# KiCad board keyball61_right.kicad_pcb (continued)
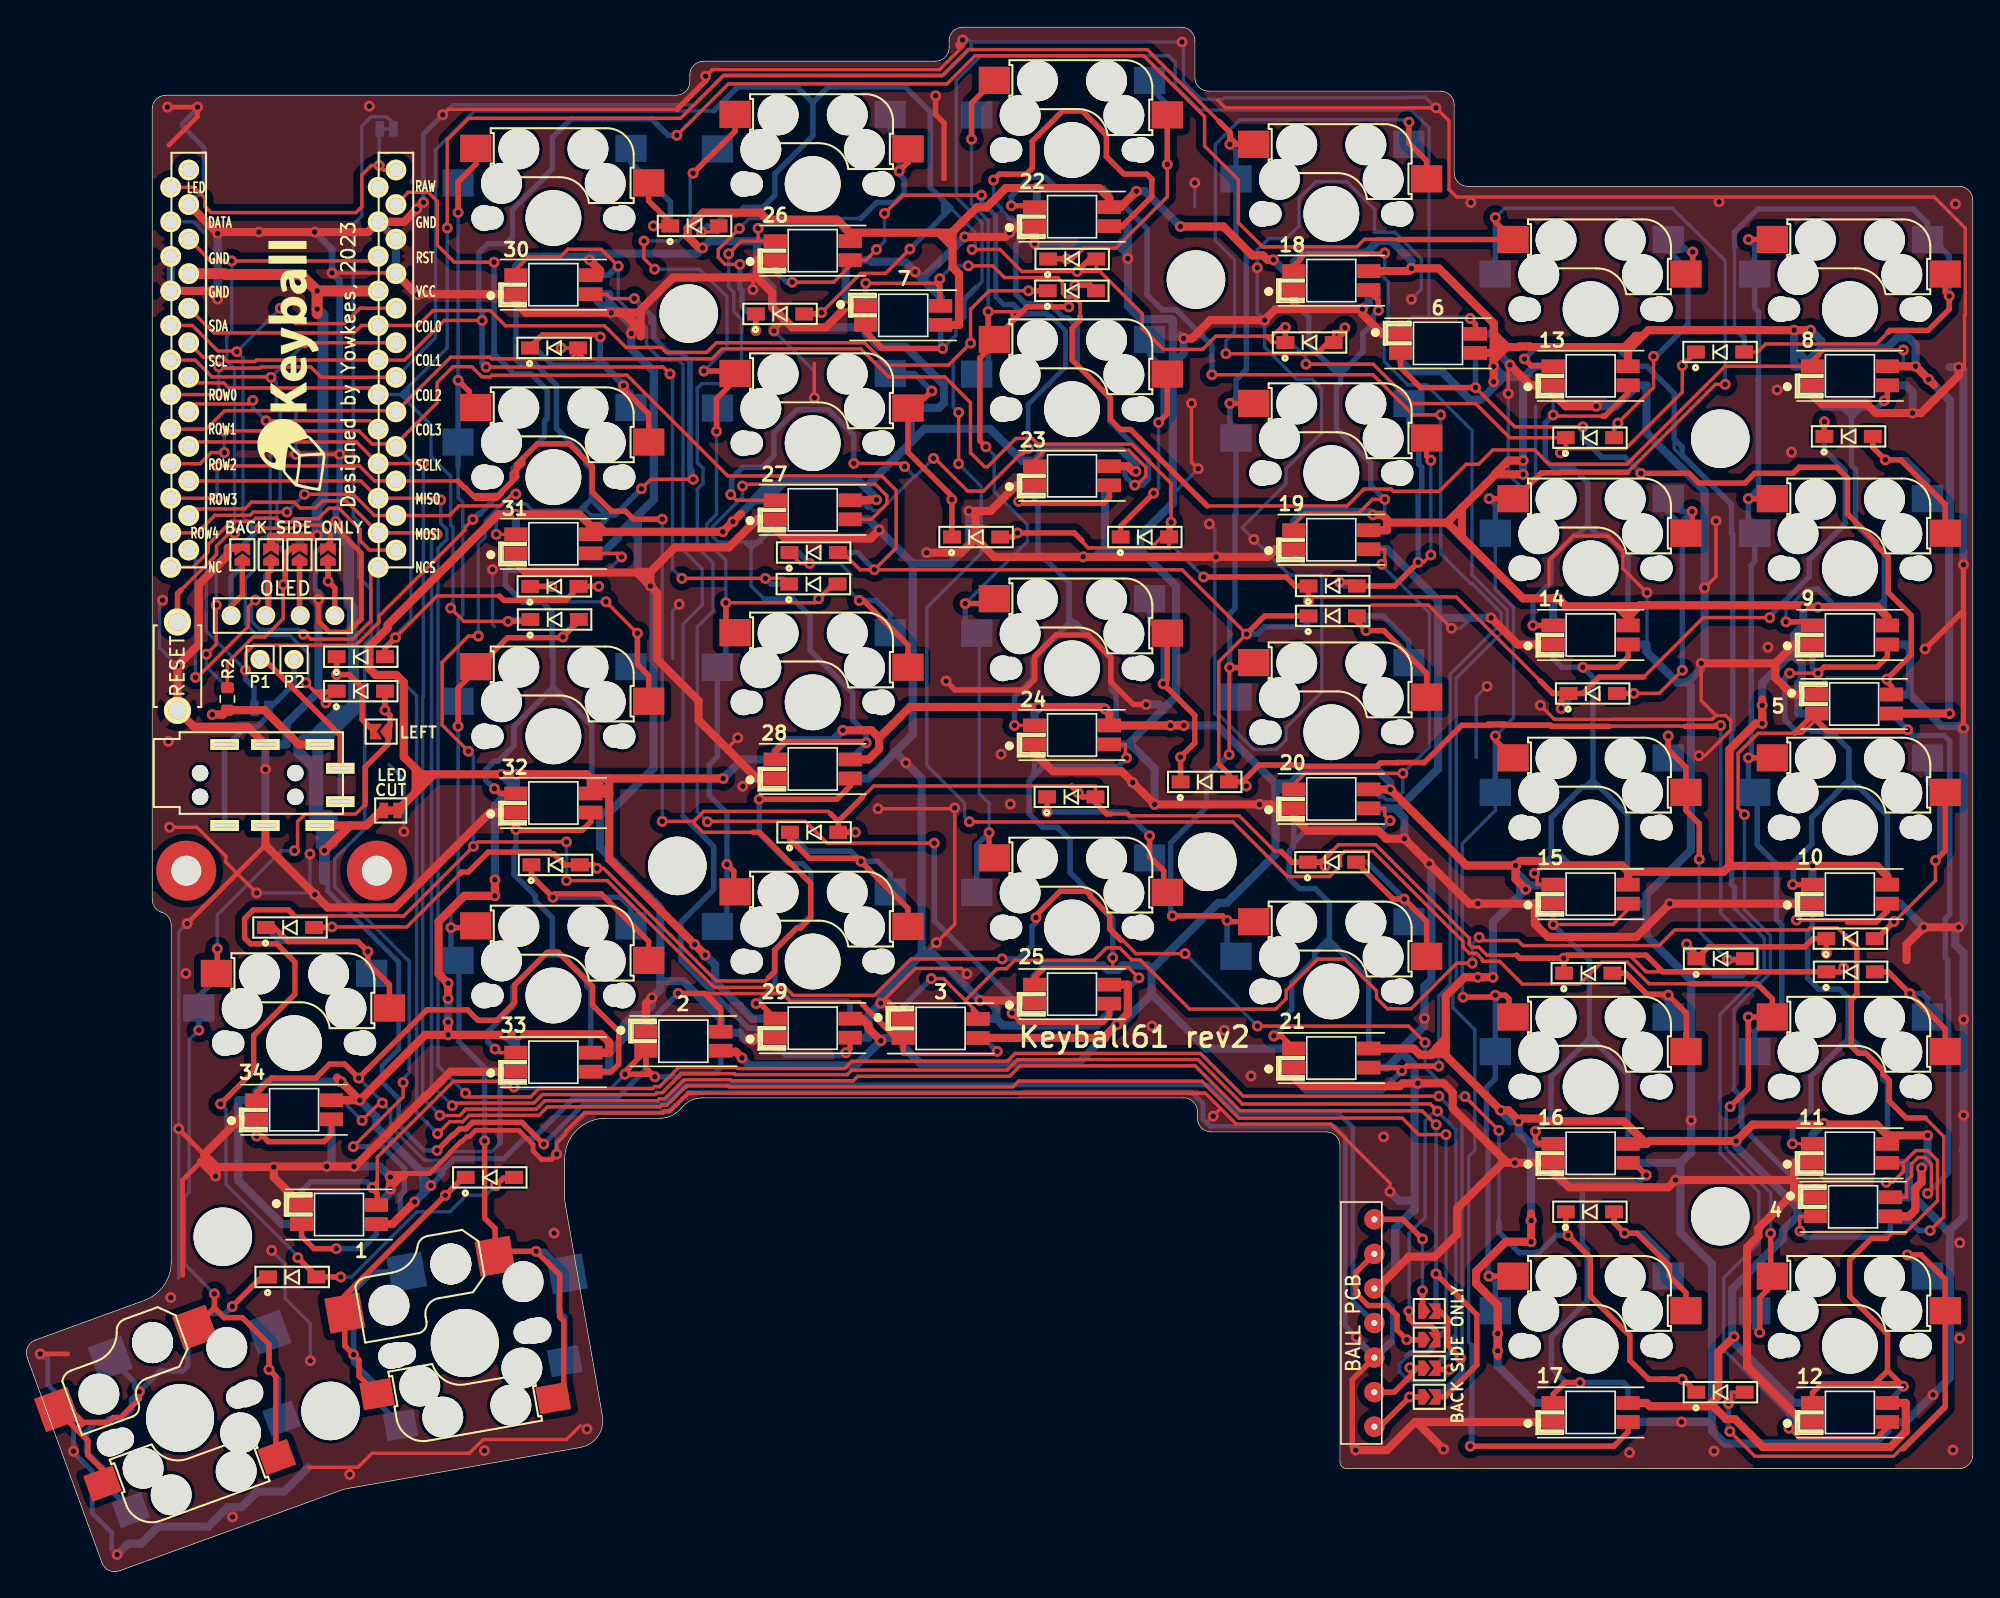
[diagram p0: board, top side]
## Routing (per net, layer and track width the routed paths; a pad name or vN(x,y) marks a point on that pad's centre or on a via; arc(x,y) is an arc through that point) (continued)
ROW4: length 268.2
  Top w0.25: v1(32.41,60.25) 30.47,62.18 30.47,66.77 32.41,68.71 v1(33.14,68.71) ; v1(19.08,77.83) 16.61,77.83 16.38,77.59 13.8,77.59 12.5,76.3 U1.11 ; 79.52,47.3 81.46,45.37 v1(85.06,45.37) ; v1(32.78,53.25) 33.11,53.58 v1(39.61,53.58) ; v1(32.78,53.25) 27.66,48.14 19.64,48.14 ; v1(32.78,53.25) 32.88,53.14 ; v1(39.61,50.73) 42.61,50.73 50.47,42.88 55.68,42.88 56.26,42.3 62.24,42.3 64.92,44.98 v1(71.62,44.98) ; v1(108.12,32.37) v1(105.62,34.86) ; 35.63,79.15 34.76,78.28 31.71,78.28 31,77.57 U1.11 25.51,77.57 23.96,79.13 v1(20.36,79.13) ; v1(90.38,40.05) 101.47,40.05 v1(102.69,38.83)
  Top w0.35: 35.63,79.15 v1(35.9,79.15) 35.95,79.15
  Top w0.4: D27.1 113.03,24.81 v1(113.19,24.65) 114.83,23.01 114.83,20.18 117.73,17.28 117.73,15.47 119.12,14.08 120.33,14.08 ; v1(23.03,21.6) D29.2 21.24,21.65 v1(19.88,23.01) ; v1(74.1,48.01) 74.1,48.18 75.87,49.95 77.8,49.95 78.1,49.64 78.1,49.57 79.52,48.15 79.52,47.17 80.34,46.35 ; 120.33,14.08 120.07,14.08 ; 120.33,14.08 v1(121.58,14.08) 121.67,14.08 D26.1 ; v1(34.41,28.3) 34.96,28.86 35.7,28.86 D28.2 ; v1(14.21,34.31) 16.63,36.74 16.63,39.36 19.66,42.39 19.66,44.75 18.32,46.09 16.39,46.09 15.97,46.51 15.97,47.95 16.6,48.58 19.19,48.58 19.64,48.14
  Bottom w0.25: v1(23.03,21.6) 23.84,21.6 28.63,26.4 31.05,26.4 32.26,27.61 33.71,27.61 v1(34.41,28.3) 35.02,28.92 D28.2 ; v1(19.08,77.83) 19.08,77.84 v1(20.36,79.13) ; 108.12,25.44 v1(108.12,32.37) ; 35.25,78.77 33.64,77.16 33.64,75.97 33.14,75.47 v1(33.14,68.71) ; 35.25,78.77 35.63,79.15 ; 35.25,78.77 35.63,79.15 ; 35.63,79.15 v1(35.9,79.15) ; 35.63,79.15 35.63,79.15 ; v1(39.61,53.58) v1(39.61,50.73) ; v1(19.88,23.01) 19.88,23.14 14.61,28.41 14.61,33.91 v1(14.21,34.31) ; v1(85.06,45.37) v1(90.38,40.05) ; 111.04,23.45 110.1,23.45 ; v1(32.41,60.25) 32.78,59.88 v1(32.78,53.25) ; v1(102.69,38.83) 102.69,37.03 104.86,34.86 v1(105.62,34.86)
  Bottom w0.4: 111.13,23.45 112.33,24.65 v1(113.19,24.65) 113.03,24.81 D27.1 ; 111.13,23.45 110.93,23.45 110.86,23.39 109.61,23.39 108.12,24.88 108.12,25.65 ; 111.13,23.45 111.04,23.45 ; D26.1 121.67,14.08 v1(121.58,14.08) ; v1(23.03,21.6) D29.2 21.24,21.65 v1(19.88,23.01) ; v1(71.62,44.98) 72.8,44.98 73.81,45.99 73.81,47.37 74.1,47.66 v1(74.1,48.01)
SCL: length 48.9
  Top w0.25: U1.6 12.33,89 13.57,87.76 17.87,87.76 v1(17.9,87.73) ; U1.6 v1(20.36,90.27) ; BACK SIDE ONLY#2.2 19.39,75.19 ; v1(18.8,72.49) 18.8,69.99 17.46,68.64 16.6,68.64 14.7,66.74 R2.2
  Top w0.4: v1(18.8,72.49) 18.96,72.65 18.96,74.76 19.39,75.19 19.42,75.19
  Bottom w0.25: 18.59,75.19 JP13.2 18.3,75.58 ; v1(20.36,90.27) 20.36,90.19 v1(17.9,87.73) 18.3,87.33 18.3,85.56 18.58,85.27 18.58,78.72 18.35,78.49 18.35,76.93 18.37,76.91
  Bottom w0.4: 18.59,75.19 18.93,74.85 18.93,72.62 v1(18.8,72.49) ; 18.37,77.05 18.37,76.91 18.49,76.79 18.49,75.78 ; 18.49,75.78 18.3,75.58 ; 18.49,75.78 18.17,75.45
SCLK: length 175.8
  Top w0.25: U1.16 12.19,82.97 24.19,82.97 U1.16 25.79,81.39 v1(29.1,81.39) ; 30.52,33.48 v1(30.31,33.48) 30.33,33.46 31.76,33.46 32.23,33.93 37.41,33.93 38.03,34.55 46.3,34.55 46.44,34.69 46.83,34.69 48.13,35.99 48.16,35.99 48.19,36.02 48.2,36.02 48.28,36.09 51.66,36.09 51.73,36.02 60.68,36.02 61.02,36.36 72.17,36.36 72.94,37.12 85.8,37.12 89.1,33.82 96.53,33.82 96.54,33.81 102.48,33.81 v1(103.5,32.79) ; JP7.2 103.85,12.79
  Top w0.4: v1(103.49,21.83) 106.49,18.83 106.49,15.14 104.15,12.79 103.85,12.79
  Bottom w0.25: 103.5,25.59 103.49,25.58 v1(103.49,21.83) ; 103.5,25.59 JP10.2 ; 103.5,25.59 v1(103.5,32.79) ; v1(29.1,81.39) 29.1,64.29 29.05,64.24 29.05,34.74 v1(30.31,33.48) ; JP10.2 103.5,18.64 JP10.2
  Bottom w0.4: v1(103.49,21.83) 103.49,19.59 103.5,19.58
SDA: length 55.5
  Top w0.25: U1.5 24.45,92.81 23.32,91.68 19.72,91.68 v1(18.59,92.81) ; 22.09,75.43 JP8.2 ; v1(13.89,70.99) 13.89,68.1 v1(13.16,67.37) ; U1.5 12.14,91.54 14.01,89.66 15.35,89.66 v1(15.4,89.62) ; v1(17.09,76.64) 19.55,76.64 19.78,76.87 21.59,76.87 22.27,76.18 22.27,76.16
  Top w0.4: 22.27,76.16 22.27,75.61 22.09,75.43
  Bottom w0.25: 16.48,76.86 15.85,77.49 15.85,89.17 v1(15.4,89.62) v1(18.59,92.81) ; 16.48,76.86 16.7,76.64 v1(17.09,76.64) ; 16.48,76.86 16.48,76.14 16.53,76.08 ; v1(13.16,67.37) 13.16,66.46 R1.2 ; 15.96,75.51 15.96,75.34 JP11.2 14.91,75.19 13.89,74.17 v1(13.89,70.99)
  Bottom w0.4: 15.96,75.51 v1(17.09,76.64)
Net-(D1-Pad2): length 52.3
  Top w0.25: 136.69,91.03 135.85,90.19 127.71,90.19 127.11,89.59 D1.2
  Top w0.4: SW1.2 140.9,93.99 v1(141.2,93.7) 141.2,92.73 139.64,91.18 136.84,91.18 136.69,91.03
  Bottom w0.25: 139.14,99.65 139.6,99.18 SW1.2 ; 125.42,97.9 125.42,91.37
  Bottom w0.4: D1.2 126.14,90.65 125.42,91.37 ; 125.42,97.29 125.42,98.39 127.13,100.1 138.56,100.1 139.6,99.06 SW1.2 139.98,97.86 141.2,96.64 v1(141.2,93.7)
Net-(D2-Pad2): length 22.7
  Top w0.25: 116.58,83.29 116.58,84.09 v1(116.86,84.37) 119.48,86.99 v1(119.48,89.28)
  Top w0.4: v1(122.35,96.94) 122.35,95.82 SW2.2
  Bottom w0.4: 116.58,83.29 116.58,84.09 v1(116.86,84.37) ; v1(122.35,96.94) 122.07,96.94 121.15,97.86 SW2.2 120.55,97.05 122,95.6 122,91.61 119.67,89.28 v1(119.48,89.28)
Net-(D3-Pad2): length 52.5
  Top w0.25: v1(88.06,89.47) 94.76,89.47 95.98,90.69 ; 95.98,90.69 95.98,91.09 96.52,91.09 v1(96.8,91.37) ; 95.98,90.69 D3.2
  Top w0.4: v1(96.8,91.37) 96.8,91.11 D3.2 95.58,90.29 94.76,89.47 ; SW3.2 102.8,103.64 101.5,104.94 v1(101.5,106.49)
  Bottom w0.25: v1(101.5,106.49) 101.33,106.66 89.09,106.66 87.29,104.85 87.29,97.78 88.69,96.38 88.69,91.03 88.06,90.4 v1(88.06,89.47) ; v1(96.8,91.37) 96.52,91.09 95.98,91.09 D3.2
  Bottom w0.4: v1(101.5,106.49) SW3.2
Net-(D4-Pad1): length 24.8
  Top w0.25: v1(76.35,96.43) 76.83,96.43 77.63,97.23 79.98,97.23 83.75,101 v1(83.75,103.38)
  Top w0.4: D4.1 v1(76.35,96.43) ; SW4.2 v1(83.75,103.38)
  Bottom w0.4: v1(83.75,103.38) 83.75,107.79 82.45,109.09 SW4.2 ; D4.1 v1(76.35,96.43)
Net-(D5-Pad1): length 32.7
  Top w0.25: v1(52.35,96.03) 51.27,96.03 50.77,96.54 50.77,97.11 v1(52.32,98.67)
  Top w0.4: SW5.2 64.7,103.51 64.68,103.51 v1(64.06,102.89) ; D5.1 v1(53.53,91.17)
  Bottom w0.25: v1(52.32,98.67) 53.06,99.41 61.23,99.41 ; 52.93,92.5 53.04,92.39 D5.1
  Bottom w0.4: SW5.2 63.4,105.73 64.06,105.08 v1(64.06,102.89) 64.06,102.66 64.42,102.3 64.42,101.25 63.76,100.58 62.4,100.58 61.23,99.41 ; D5.1 v1(53.53,91.17) ; v1(52.35,96.03) 52.35,94.29 52.51,94.12 52.51,92.92 52.93,92.5
Net-(D6-Pad1): length 13.2
  Top w0.4: v1(46,98.86) D6.1 47.25,99.11 46.19,100.18 46.17,100.18 45.65,100.69 SW6.2
  Bottom w0.4: v1(46,98.86) D6.1 47.25,100.62 44.35,103.52 SW6.2
Net-(D7-Pad2): length 17.2
  Top w0.4: SW7.2 140.9,78.39 137.63,81.66 v1(136.5,81.66) 135.58,82.59 135.58,83.39
  Bottom w0.4: 135.58,83.39 135.58,82.59 v1(136.5,81.66) 138.07,81.66 139.6,80.13 SW7.2
Net-(D8-Pad2): length 38.3
  Top w0.25: v1(121.59,66.19) 119.89,64.5 v1(118.03,64.5)
  Top w0.4: v1(122.31,77.87) 122.31,76.73 SW8.2 ; D8.2 118.02,64.49 v1(118.03,64.5)
  Bottom w0.25: v1(121.59,66.19) 121.59,76.45 121.24,76.8 ; 121.24,76.8 120.55,77.48 SW8.2 ; 121.24,76.8 121.39,76.95
  Bottom w0.4: D8.2 118.02,64.49 v1(118.03,64.5) ; 121.39,76.95 121.41,76.95 121.59,76.77 v1(121.59,66.19) ; 121.39,76.95 120.55,77.79 SW8.2 121.49,77.87 v1(122.31,77.87) 121.39,76.95
Net-(D9-Pad2): length 30
  Top w0.25: v1(102.19,74.13) 102.57,74.13 v1(103.12,74.67)
  Top w0.4: SW9.2 102.8,81.94 v1(103.12,81.63) ; v1(102.19,74.13) 100.44,72.39 D9.2 97.4,72.67 v1(96.43,72.67)
  Bottom w0.25: v1(103.12,81.63) v1(103.12,74.67)
  Bottom w0.4: v1(102.19,74.13) 102.19,79.24 102.44,79.5 102.44,81.13 102.23,81.34 102.23,83.65 101.5,84.38 SW9.2 ; v1(96.43,72.67) 96.7,72.39 D9.2
Net-(D10-Pad1): length 24.3
  Top w0.4: SW10.2 83.75,85.05 v1(83.11,84.41) ; v1(82.75,79.21) 80.33,76.79 D10.1
  Bottom w0.25: v1(83.11,84.41) 83.11,79.57 v1(82.75,79.21) 80.33,76.79 D10.1
  Bottom w0.4: SW10.2 82.45,89.39 83.43,88.41 83.43,84.73 v1(83.11,84.41)
Net-(D11-Pad1): length 23.2
  Top w0.25: SW11.2 64.7,84.99 ; 64.7,84.99 64.7,84.14 ; 64.7,84.99 64.71,84.99 v1(66.45,86.72)
  Top w0.4: v1(66.45,86.72) 65.9,86.18 65.41,86.18 SW11.2 64.7,82.22 67.93,78.99 v1(67.93,78.74) 67.93,75.99
  Bottom w0.25: 67.93,75.99 v1(67.93,78.74)
  Bottom w0.4: v1(66.45,86.72) 65.17,88.01 SW11.2
Net-(D12-Pad1): length 27.8
  Top w0.4: D12.1 36.93,89.95 37.66,90.69 37.69,90.69 37.85,90.85 41.94,90.85 v1(42.1,90.69) ; SW12.2 45.65,85.04 43.8,86.89 v1(43.8,87.12)
  Bottom w0.25: v1(43.8,87.12) 43.8,87.39 42.1,89.09 v1(42.1,90.69)
  Bottom w0.4: 42.1,89.09 42.56,88.63 42.35,88.63 ; 42.1,89.09 v1(42.1,90.69) ; 42.1,89.09 42.1,88.97 41.76,88.63 ; 41.76,88.63 38.57,88.63 37.3,89.89 D12.1 ; 41.76,88.63 42.35,88.63 ; SW12.2 44.35,86.57 v1(43.8,87.12) 42.35,88.57 42.35,88.63
Net-(D13-Pad2): length 24.4
  Top w0.25: v1(140.19,52.2) 140.19,50.74 137.18,47.73 v1(137.14,47.73)
  Top w0.4: v1(137.14,47.73) 135.87,46.47 D13.2 ; v1(140.19,52.2) 140.9,52.92 SW13.2
  Bottom w0.25: 140.26,52.28 v1(140.19,52.2)
  Bottom w0.4: 139.6,58.43 SW13.2 139.6,58.11 140.5,57.21 140.5,52.52 v1(140.19,52.2) ; v1(137.14,47.73) 135.87,46.47 D13.2
Net-(D14-Pad2): length 23.8
  Top w0.25: SW14.2 121.85,55.89
  Top w0.4: v1(120.55,61.37) 120.55,60.35 121.85,59.05 SW14.2 121.85,55.89 122.83,54.91 v1(122.83,52.31) ; v1(124.91,44.91) 126.1,44.91 D14.2
  Bottom w0.25: v1(122.83,52.31) 122.83,46.99 v1(124.91,44.91)
  Bottom w0.4: D14.2 124.99,44.99 v1(124.91,44.91) ; v1(120.55,61.37) SW14.2
Net-(D15-Pad2): length 19.8
  Top w0.4: D15.2 97.68,69.79 v1(98.36,69.11) 99.66,69.11 102.8,65.97 SW15.2
  Bottom w0.25: v1(98.36,69.11) 98.36,70 98.17,70.19 ; D15.2 98.17,70.19 ; 98.17,70.19 98.65,70.19 ; SW15.2 101.5,68.08
  Bottom w0.4: SW15.2 101.5,68.28 99.59,70.19 D15.2 97.68,69.79 v1(98.36,69.11)
Net-(D16-Pad1): length 27.9
  Top w0.25: v1(83.45,65.2) 83.75,65.2 SW16.2 ; 85.74,61.34 85.74,62.84 84.73,63.85
  Top w0.4: SW16.2 83.75,65.5 v1(83.45,65.2) 85.77,62.88 85.77,60.86 v1(84.73,59.81) D16.1
  Bottom w0.4: SW16.2 82.45,69.82 83.45,68.82 v1(83.45,65.2) ; v1(84.73,59.81) D16.1
Net-(D17-Pad1): length 20
  Top w0.25: v1(57.48,74.05) 56.8,74.05 D17.1
  Top w0.4: v1(61.12,71.33) 61.44,71.33 64.7,68.06 SW17.2
  Bottom w0.25: v1(57.48,74.05) 59.72,74.05 60.5,73.26 60.5,71.94 v1(61.12,71.33) 61.12,71.55
  Bottom w0.4: D17.1 56.68,74.85 v1(57.48,74.05) ; v1(61.12,71.33) 62.36,71.33 63.4,70.28 SW17.2
Net-(D18-Pad1): length 18.9
  Top w0.25: v1(42.51,71.23) v1(44.82,68.92)
  Top w0.4: SW18.2 45.65,65.81 44.82,66.64 v1(44.82,68.92) ; D18.1 v1(38.53,72.36)
  Bottom w0.25: v1(38.53,72.36) 39.66,71.23 v1(42.51,71.23)
  Bottom w0.4: v1(44.82,68.92) 44.82,66.93 SW18.2 ; D18.1 v1(38.53,72.36)
Net-(D19-Pad2): length 14.6
  Top w0.4: D19.2 136.7,44.03 v1(138.3,42.43) 140.9,39.83 SW19.2
  Bottom w0.4: D19.2 136.7,44.03 v1(138.3,42.43) 139.21,42.43 139.6,42.03 SW19.2
Net-(D20-Pad2): length 22.1
  Top w0.25: 120.53,42.32 v1(120.55,42.32) ; SW20.2 121.85,39.49
  Top w0.4: 121.85,39.51 SW20.2 121.89,38.21 121.89,40.98 v1(120.55,42.32) 120.51,42.36 119,42.36 117.43,43.93 116.46,43.93
  Bottom w0.25: SW20.2 v1(120.55,42.32)
  Bottom w0.4: 119.96,42.42 118.94,42.42 117.43,43.93 116.46,43.93 ; 119.96,42.42 120.45,42.42 v1(120.55,42.32) SW20.2 120.55,41.83 119.96,42.42
Net-(D21-Pad2): length 17.3
  Top w0.25: SW21.2 102.8,46.49
  Top w0.4: SW21.2 102.8,47.73 v1(101.16,49.38) 100.34,49.38 D21.2
  Bottom w0.4: D21.2 98.45,52.09 v1(101.16,49.38) 101.16,48.05 SW21.2
Net-(D22-Pad1): length 16.8
  Top w0.4: SW22.2 83.5,50.13 83.5,51.45 82.45,52.49 v1(82.45,54.02) ; 74.93,56.89 v1(74.93,55.79)
  Bottom w0.4: SW22.2 v1(82.45,54.02) 80.69,55.79 v1(74.93,55.79) 74.93,56.89
Net-(D23-Pad1): length 23.9
  Top w0.4: SW23.2 64.7,48.69 v1(61.24,52.16) 61.02,52.38 57.44,52.38 56.03,53.79 D23.1
  Bottom w0.25: SW23.2 63.4,51.23
  Bottom w0.4: 63.4,51.23 62.48,52.16 v1(61.24,52.16) 60.51,52.89 57.35,52.89 56.03,54.21 D23.1 ; 63.4,51.23 63.4,49.91 SW23.2 ; 63.4,51.23 63.4,51.23
Net-(D24-Pad1): length 23.5
  Top w0.4: D24.1 37.04,51.09 v1(38.62,49.51) 38.62,49.61 38.77,49.76 42.16,49.76 45.65,46.27 SW24.2
  Bottom w0.4: D24.1 37.04,51.09 v1(38.62,49.51) 43.58,49.51 44.35,48.73 SW24.2
Net-(D25-Pad1): length 24.3
  Top w0.25: SW25.2 26.6,42.69
  Top w0.4: SW25.2 26.6,43.09 25.02,44.67 v1(25.02,45.52) 24.29,46.25 19.18,46.25 18.14,47.29 D25.1
  Bottom w0.4: D25.1 17.53,47.28 18.55,46.26 24.28,46.26 v1(25.02,45.52) 25.02,44.19 SW25.2
Net-(D26-Pad2): length 50.3
  Top w0.25: SW26.2 140.9,12.22 137.11,8.42 126.91,8.42 v1(125.08,10.25) ; D26.2 125.19,13.13 125.19,12.53 v1(124.97,12.31)
  Top w0.4: v1(138.13,23.22) 139.12,23.22 140.9,21.44 SW26.2 140.9,12.03 137.83,8.96
  Bottom w0.25: v1(124.97,12.31) 125.08,12.31 125.19,12.42
  Bottom w0.4: v1(138.13,23.22) 139.6,21.74 SW26.2 ; v1(125.08,10.25) 124.97,10.36 v1(124.97,12.31) 125.8,13.13 D26.2
Net-(D27-Pad2): length 17.2
  Top w0.4: SW27.2 121.85,20.44 120.64,21.65 120.64,22.43 118.26,24.82 v1(117.35,24.82) 116.58,25.59 116.58,26.39
  Bottom w0.4: 116.58,26.39 116.58,25.59 v1(117.35,24.82) 118.72,24.82 120.47,23.07 120.47,21.74 SW27.2
Net-(D28-Pad1): length 42.5
  Top w0.25: SW28.2 23.97,18.3 23.97,17.96 ; SW28.2 25.7,12.99
  Top w0.4: SW28.2 23.33,18.6 23.97,17.96 ; SW28.2 23.33,16.53 v1(23.97,15.89) 24.37,15.49 24.37,14.31 SW28.2 ; SW28.2 23.33,20.21 v1(30.71,27.6) 32.03,28.92 D28.1
  Bottom w0.25: v1(30.71,27.6) 30.89,27.6 D28.1 ; SW28.2 26.34,21.98
  Bottom w0.4: SW28.2 25.71,12.42 25.71,13.58 23.97,15.32 v1(23.97,15.89) 23.97,20.55 23.97,20.55 25.39,21.98 SW28.2
Net-(D29-Pad1): length 49.3
  Top w0.4: 3.63,10.39 4.1,10.86 4.1,10.91 ; 3.63,10.39 SW29.2 3.15,11.86 4.1,10.91 ; 3.63,10.39 4.45,9.57 4.45,8.51 5.53,7.43 SW29.2 ; v1(15.06,19.43) 17.23,21.6 D29.1 ; 4.1,10.91 5.97,10.91 6.33,11.26 6.86,11.26 8.23,12.64 v1(8.23,13.17)
  Bottom w0.25: 15.16,19.53 v1(15.06,19.43)
  Bottom w0.4: v1(8.23,13.17) 9.75,14.69 11.41,14.69 11.79,15.07 11.79,17.42 13.28,18.91 14.54,18.91 v1(15.06,19.43) 17.23,21.6 D29.1 ; v1(8.23,13.17) 7.66,12.6 7.66,11.85 6.98,11.17 5.99,11.17 5.7,10.87 5,10.87 4.35,10.22 4.35,8.75 6.35,6.76 6.35,5.74 SW29.2 ; v1(8.23,13.17) 7.88,13.52 7.88,13.87 SW29.2
Net-(D30-Pad1): length 8.5
  Top w0.35: 25.18,62.01 LEFT.2
  Top w0.4: 25.18,62.01 24.6,62.59 24.6,64.93 23.66,65.87 v1(22.73,65.87) D30.1
  Bottom w0.4: D30.1 v1(22.73,65.87)
Net-(D31-Pad2): length 95.7
  Top w0.25: 73.45,92.91 73.07,92.53 ; 73.07,92.53 72.46,91.92 ; 73.07,92.53 73.04,92.56 72.35,92.56 ; 72.46,91.92 72.35,92.03 72.35,92.56 ; 72.46,91.92 SW10.1 ; 72.35,92.56 v1(70.59,92.56)
  Top w0.4: v1(70.59,92.56) 70.59,90.97 SW10.1 ; v1(76.51,92.91) 73.45,92.91 SW10.1 ; SW10.1 71.05,90.21 69.98,89.14 69.98,83.06 v1(70.42,82.62) ; D31.2 78.11,94.5 v1(76.97,94.5) ; SW16.1 70.69,71.1 v1(68.9,71.1) ; v1(69.37,105.23) 69.37,107.88 SW4.1 ; v1(70.66,54.26) 70.66,52.8 SW22.1
  Bottom w0.25: v1(69.37,105.23) 69.37,100.48 70.59,99.26 70.59,93.74 ; v1(68.9,71.1) 73.48,75.67 73.48,76.89 71.03,79.34 71.03,82.01 v1(70.42,82.62) ; SW16.1 69.94,68.73 69.94,57.14 70.66,56.42 v1(70.66,54.26) ; 70.59,93.74 70.59,93.46 ; 70.59,93.74 v1(70.59,92.56)
  Bottom w0.4: v1(69.37,105.23) 69.37,106.05 69.75,106.43 SW4.1 ; SW22.1 69.75,53.35 v1(70.66,54.26) ; D31.2 78.11,94.5 v1(76.97,94.5) 76.51,94.04 v1(76.51,92.91) ; SW10.1 70.59,88.81 v1(70.59,92.56) ; SW16.1 68.9,69.77 v1(68.9,71.1)
Net-(D32-Pad2): length 98
  Top w0.25: v1(50.63,83.76) 50.63,83.66 ; v1(51.32,71.16) 57.84,71.16 v1(58.14,71.45) 59.21,72.53 D32.2 ; v1(45.3,97.75) 45.3,96.47 v1(46.09,95.68)
  Top w0.4: v1(51.4,51.93) 51.9,51.43 51.9,50.01 SW23.1 ; v1(51.32,71.16) 51.32,69.64 SW17.1 ; SW5.1 52,105.82 v1(48.92,102.73) ; v1(50.63,83.76) 50.63,86.15 52,87.52 SW11.1 51.82,88.19 v1(49.71,88.19)
  Bottom w0.25: 49.69,88.18 v1(49.71,88.19) 51.4,89.89 51.4,93.65 49.37,95.68 v1(46.09,95.68) ; v1(48.92,102.73) 48.7,102.52 48.7,98.6 47.85,97.75 v1(45.3,97.75) ; 51.32,70.25 51.32,67.04 ; 51.32,70.25 v1(51.32,71.16) 51.32,74.27 49.92,75.67 49.92,76.95 50.63,77.66 v1(50.63,83.76) ; 51.32,70.25 51.32,70.32
  Bottom w0.4: v1(58.14,71.45) 59.21,72.53 D32.2 ; v1(51.32,71.16) 51.32,67.04 SW17.1 50.7,59.84 50.11,59.25 50.11,56.99 51.4,55.7 v1(51.4,51.93) 51.4,48.07 SW23.1 ; v1(50.63,83.76) 50.7,83.83 SW11.1 ; SW5.1 v1(48.92,102.73)
Net-(D33-Pad2): length 137.1
  Top w0.25: v1(39.35,68.64) 40.51,69.8 ; 39.11,13.16 SW28.1
  Top w0.4: v1(33.6,31.6) 33.6,25.92 34.37,25.15 SW28.1 34.87,23.13 35.23,23.49 v1(37.38,23.49) 39.11,21.76 39.11,19.19 ; SW24.1 32.82,47.28 v1(31.12,47.28) ; 39.11,19.19 39.11,18.66 39.41,18.36 39.41,13.46 SW28.1 ; 39.11,19.19 39.11,18.91 ; SW12.1 32.48,85.98 32.48,86.68 v1(31.65,87.51) ; v1(31.65,99.85) 31.65,102.1 32.95,103.4 SW6.1 ; v1(31.65,62.08) 31.65,64.9 32.95,66.2 SW18.1 33.15,66.46 35.28,68.59 39.3,68.59 v1(39.35,68.64) 40.52,69.81 D33.2
  Bottom w0.25: v1(31.65,62.08) 31.65,49.4 31.12,48.87 v1(31.12,47.28) ; v1(31.65,99.85) v1(31.65,87.51) ; v1(39.35,68.64) 40.51,69.8 ; 31.65,81.19 31.65,78.87 31.99,78.53 31.99,70.3 31.65,69.96 SW18.1 ; SW12.1 31.65,84.68
  Bottom w0.4: v1(39.35,68.64) 39.35,68.76 D33.2 ; SW28.1 39.49,18.64 39.04,19.08 39.04,20.65 39.68,21.29 SW28.1 38.02,23.49 v1(37.38,23.49) ; v1(31.12,47.28) 31.12,45.4 SW24.1 31.65,44.03 31.72,43.97 31.72,38.89 32.1,38.51 32.1,38.47 33.6,36.96 v1(33.6,31.6) ; SW6.1 v1(31.65,99.85) ; v1(31.65,87.51) SW12.1 31.65,81.19 ; SW18.1 v1(31.65,62.08)
Net-(D34-Pad2): length 81.2
  Top w0.25: 13.96,45.76 v1(13.96,45.73) ; 24.82,56.33 24.12,55.63 20.42,55.63 19.86,55.07 19.86,53.16 v1(19.63,52.93) ; D34.2 26.28,64.59
  Top w0.4: SW25.1 13.96,43.97 v1(13.96,45.73) ; D34.2 v1(26.28,63.26) 26.64,62.9 26.64,62.11 26.5,61.97 LEFT.1 26.5,60.76 24.82,59.08 24.82,56.33 ; 13.75,19.34 SW29.1 ; 13.75,19.34 13.75,19.32 14.46,18.61 15.8,18.61 17.76,16.65 v1(17.76,14.8) 18.26,14.29 18.26,8.43 SW29.1 ; 13.75,19.34 v1(13.75,20.36)
  Bottom w0.25: v1(12.6,39.74) 11.89,39.03 11.89,27.84 11.58,27.52 11.58,22.53 v1(13.75,20.36) ; v1(19.63,52.93) 18.67,52.93 13.96,48.22 13.96,45.72 13.96,45.76
  Bottom w0.4: SW29.1 18.46,11.42 18.46,14.09 v1(17.76,14.8) SW29.1 ; v1(13.96,45.73) 13.96,43.6 12.6,42.24 SW25.1 v1(12.6,39.74) ; D34.2 v1(26.28,63.26)
Net-(J1-Pad1): length 13.6
  Top w0.25: JP2.1 15.8,71.73
  Top w0.4: JP2.1 15.8,71.73 14.98,70.9 J1.1
  Bottom w0.25: 14.98,72.72 J1.1
  Bottom w0.4: J1.1 14.98,73.05 15.8,73.88 JP2.1
Net-(J1-Pad2): length 10.1
  Top w0.25: JP4.1 17.9,73.55 17.69,73.33
  Top w0.4: JP4.1 17.9,73.55 17.69,73.33 17.69,70.39 J1.2
  Bottom w0.25: JP4.1 17.9,73.55
  Bottom w0.4: J1.2 17.78,70.48 17.78,71.64 17.52,71.91 17.52,73.16 17.9,73.55 JP4.1
Net-(J1-Pad3): length 15.8
  Top w0.25: BACK SIDE ONLY#2.1 20,70.27
  Top w0.4: BACK SIDE ONLY#2.1 20,70.27 J1.3
  Bottom w0.25: BACK SIDE ONLY#2.1 20,70.27
  Bottom w0.4: BACK SIDE ONLY#2.1 20,70.27 J1.3
Net-(J1-Pad4): length 7.1
  Top w0.4: J1.4 22.6,72.25 v1(22.1,72.74) 22.09,72.75 JP8.1
  Bottom w0.25: v1(22.1,72.74) BACK SIDE ONLY#4.1
  Bottom w0.4: BACK SIDE ONLY#4.1 v1(22.1,72.74)
Net-(J2-Pad1): length 13.1
  Top w0.25: v1(102.5,24.39) 102.6,24.29 ; 99.17,25.83 101.06,25.83
  Top w0.4: JP1.1 v1(102.5,20.59) ; J2.1 101.06,25.83 v1(102.5,24.39)
  Bottom w0.25: v1(102.5,24.39) v1(102.5,20.59) ; 102.6,19.19 JP1.1
  Bottom w0.4: v1(102.5,20.59) JP1.1
Net-(J2-Pad2): length 12.3
  Top w0.25: 100.8,17.54 v1(101.35,16.99)
  Top w0.4: J2.2 97.61,21.94 97.61,20.4 98.51,19.5 99.9,19.5 100.63,18.77 100.63,17.7 v1(101.35,16.99) JP3.1
  Bottom w0.4: JP3.1 v1(101.35,16.99)
Net-(J2-Pad6): length 12.3
  Top w0.25: BACK SIDE ONLY.1 102.18,14.89 ; 102.18,14.89 101.74,14.45 ; 102.18,14.89 101.86,14.89 101.81,14.93 v1(101.58,14.93) 101.58,14.62 101.74,14.45 ; 101.74,14.45 100.86,13.57 ; 100.86,13.57 100.43,13.13 J2.6 ; 100.86,13.57 100.77,13.48 ; 99.17,13.65 99.17,13.13
  Top w0.4: BACK SIDE ONLY.1 101.62,14.89 v1(101.58,14.93) ; 101.74,14.45 100.43,13.13 J2.6
  Bottom w0.25: BACK SIDE ONLY.1 101.62,14.89 v1(101.58,14.93)
  Bottom w0.4: v1(101.58,14.93) 102.46,14.93 BACK SIDE ONLY.1
Net-(J2-Pad7): length 8.5
  Top w0.25: 99.53,10.59 98.96,10.59 ; 102.5,13.24 JP7.1 101.86,12.79 101.85,12.78 v1(101.56,12.78) 101.56,12.62
  Top w0.4: J2.7 99.38,10.59 v1(101.56,12.78) 102.49,12.78 JP7.1
  Bottom w0.25: v1(101.56,12.78) 101.85,12.78 101.86,12.79 JP7.1
  Bottom w0.4: v1(101.56,12.78) 101.57,12.79 JP7.1
Net-(J13-PadA): length 13.1
  Top w0.4: J13.A 23,61.41 17.42,66.99 P1.1
  Bottom w0.4: J13.A J13.A
Net-(J13-PadB): length 18
  Bottom w0.25: 19.6,65.29 P2.1 ; 17.07,62.28 17.72,62.93 17.72,63.4
  Bottom w0.4: J13.B J13.B 14.75,60.74 16.09,62.07 16.92,62.07 17.79,62.94 17.79,63.39 19.6,65.2 P2.1
Net-(JP19-Pad1): length 1006.7
  Top w0.6: 36.57,58.55 41.09,58.55 41.4,58.24 ; 36.57,58.55 36.54,58.58 35.9,58.58 ; 36.57,58.55 v1(34.82,58.55) 29.86,58.55 ; v1(107.68,43.63) v1(106.56,43.63) 105.59,43.63 104.21,42.25 104.21,39.11 ; 29.86,58.55 29.4,58.09 ; 29.86,58.55 28.94,58.55 28.92,58.57 ; v1(28.46,27.12) 26.83,25.49 1.1 ; 127.46,64.07 v1(127.46,62.29) 126.97,62.29 125.04,60.35 125.04,51.81 ; 67.98,98.36 67.98,98.43 69.77,100.22 70.47,100.22 71.89,101.64 v1(74.17,101.64) 78.75,101.64 79.5,100.88 22.1 80.31,100.24 v1(81.48,101.41) ; 67.98,98.36 67.98,97.34 ; 67.98,98.36 66.77,98.36 ; v1(109.56,33.04) 109.77,33.24 111.12,33.24 111.33,33.04 117.31,33.04 118.95,31.39 ; 109.57,33.09 108.82,33.85 v1(108.24,33.85) 104.21,37.88 ; v1(59.92,61.78) 62.02,61.78 62.58,61.23 ; 105.39,78.13 105.39,76.06 105.35,76.01 ; 105.39,78.13 107.86,80.6 ; 105.39,78.13 104.31,77.05 ; 116.81,70.9 113.04,70.9 v1(112.46,71.48) 109.88,71.48 105.35,76.01 ; 116.81,70.9 117.77,70.9 ; 116.81,70.9 117.6,70.11 ; v1(49.8,45.27) v1(49.03,46.04) 42.75,52.31 42.75,57.14 ; 108.66,89.95 107.73,89.02 107.73,88.97 ; 108.66,89.95 107.74,89.95 ; 108.66,89.95 109.06,89.95 ; 104.21,37.88 104.09,38 103.27,38 103.2,37.93 103.06,37.93 ; 104.21,37.88 104.21,38.39 ; 41.4,76.37 41.4,76.81 ; 41.4,76.37 42.39,76.37 ; 41.4,76.37 31.1 ; 41.4,76.81 40.55,77.66 v1(35.9,77.66) 34.6,77.66 26.47,69.53 26.47,69.29 25.13,67.95 25.13,66.31 25.59,65.85 27.11,65.85 27.66,65.3 27.66,59.83 28.54,58.95 ; 41.4,76.81 41.96,76.81 42.39,76.37 ; 125.04,51.81 v1(131.15,51.81) 135.89,51.81 136.65,51.05 10.1 ; 125.04,51.81 124.62,51.39 117.6,51.39 ; 107.74,89.95 107.74,91.13 ; 107.74,89.95 107.74,89.54 107.73,89.52 ; 66.77,98.36 60.45,98.36 ; 66.77,98.36 66.96,98.36 67.98,97.34 ; 60.45,98.36 59.49,99.31 54.37,99.31 53.85,99.83 49.66,99.83 48.52,98.69 48.52,98.09 49.36,97.24 v1(49.61,97.24) ; 60.45,98.36 26.1 ; 20.1 99.9,57.44 99.91,57.44 v1(100.14,57.44) 105.73,51.85 v1(109.34,51.85) ; 28.63,57.32 27.4,56.09 27.4,55.89 ; 28.63,57.32 28.54,57.41 28.54,58.95 ; 28.63,57.32 28.97,57.66 ; 29.4,58.09 28.92,58.57 ; 29.4,58.09 28.97,57.66 ; 28.92,58.57 28.54,58.95 ; 28.92,58.57 28.92,57.71 28.97,57.66 ; 131.98,32.8 135.86,32.8 136.65,32.01 ; 131.98,32.8 126.75,32.8 v1(125.54,31.59) 119.16,31.59 118.95,31.39 ; 131.98,32.8 v1(131.98,32.89) ; v1(34.36,50.79) v1(34.36,49.61) 32.12,49.61 30.22,47.72 30.22,43.89 v1(30.92,43.19) v1(30.92,42.06) ; v1(109.34,51.85) 109.67,52.18 111.1,52.18 111.43,51.85 117.15,51.85 117.6,51.39 ; v1(109.34,51.85) 109.34,50.84 v1(110.08,50.1) ; 107.74,91.13 107.74,90.92 108.71,89.95 109.06,89.95 ; 107.74,91.13 107.74,91.69 103.7,95.74 v1(101.69,95.74) 101.49,95.54 18.1 ; v1(41.31,96.37) 42.08,95.6 42.08,95.24 30.1 ; 104.31,77.05 99.9,77.05 ; 104.31,77.05 105.35,76.01 ; 99.9,77.05 99.9,77.26 99.54,77.62 v1(98.85,77.62) ; 99.9,77.05 99.9,76.49 19.1 ; 107.86,80.6 107.86,80.67 108.8,81.61 v1(109.89,81.61) ; 107.86,80.6 v1(109.89,80.6) ; 117.77,70.9 117.77,69.66 14.1 117.6,70.11 ; 117.77,70.9 118.4,70.9 118.47,70.97 ; 136.65,32.01 11.1 ; 136.65,32.01 v1(139.61,32.01) ; 103.06,37.93 103.52,38.39 ; 103.06,37.93 102.32,37.93 101.85,38.39 21.1 ; 103.52,38.39 104.21,38.39 ; 103.52,38.39 103.52,38.43 104.21,39.11 ; 104.21,38.39 104.21,39.11 ; 41.4,58.24 41.53,58.24 42.63,57.14 42.75,57.14 ; 41.4,58.24 32.1 42.75,57.14 ; 41.4,58.24 42.72,58.24 ; 12.1 138,12.34 138,10.23 136.87,9.09 127.51,9.09 125.46,11.15 124.81,11.15 123.68,12.28 ; v1(30.92,40.33) v1(30.92,39.4) ; v1(30.92,39.4) v1(35.1,39.4) v1(36.05,39.4) 36.09,39.44 42.16,39.44 42.75,38.85 42.75,38.09 33.1 ; v1(30.92,39.4) 29.24,39.4 v1(24.43,34.59) ; 25.1 80.85,43.09 80.85,40.95 v1(80.05,40.15) 79.08,39.17 3.1 ; 118.47,70.97 130.35,70.97 v1(130.48,70.84) v1(131.56,70.84) 135.92,70.84 136.65,70.11 9.1 ; 118.47,70.97 117.6,70.11 ; 50.95,38.15 52.06,38.15 v1(52.51,37.7) ; 123.68,12.28 123.49,12.1 119.2,12.1 118.95,12.34 17.1 ; 123.68,12.28 124.23,12.84 124.23,16.05 v1(125.4,17.22) ; 42.75,57.14 42.75,58.21 42.72,58.24 ; 7.1 68.45,91.58 68.45,95.33 67.98,95.81 67.98,97.34 ; 4.1 138.23,26.05 138.71,26.53 138.71,28.11 139.16,28.56 v1(139.16,29.61) ; 110.48,26.26 v1(110.48,24.19) 108.62,24.19 106.44,22.01 106.44,21.11 108.03,19.52 v1(108.03,17.45) 108.03,15.78 ; 84.86,62.14 v1(83.99,62.14) 24.1 79.5,63.01 v1(79.17,63.35) 79.03,63.49 v1(74.3,63.49) 64.85,63.49 62.58,61.23 ; v1(107.73,87.4) v1(107.73,88.52) 107.73,88.97 ; v1(62.71,38.96) 61.8,39.87 61.8,40.09 61.3,40.59 29.1 ; 42.39,76.37 v1(51.1,76.37) 52.42,77.7 ; 6.1 107.73,89.52 ; 107.73,89.52 107.73,88.97 ; v1(24.43,34.59) 22.76,36.26 ; v1(24.43,34.59) 34.1 ; 118.68,90.77 117.6,89.7 ; 118.68,90.77 118.18,90.77 117.35,89.95 ; 118.68,90.77 119.1,91.2 v1(129.8,91.2) v1(131.01,91.2) ; 117.6,89.7 117.35,89.95 ; 117.6,89.7 13.1 ; 62.58,61.23 62.58,60.42 61.8,59.64 28.1 ; v1(91.54,96.37) 91.12,96.37 90.8,96.69 90,96.69 87.88,98.81 v1(84.71,98.81) ; 117.35,89.95 110.44,89.95 110.39,90 109.64,90 109.59,89.95 109.06,89.95 ; 117.6,51.39 15.1 ; 23.1 80.85,81.19 81.23,80.82 v1(81.44,80.82) ; 16.1 118.95,31.39 ; 27.1 61.8,78.69 61.85,78.73 v1(62.39,78.73) ; v1(51.12,58.24) 42.72,58.24 ; 5.1 v1(141.22,63.01) ; 8.1 v1(138.73,88.54) 140.08,87.18